# KiCad board control.kicad_pcb (continued)
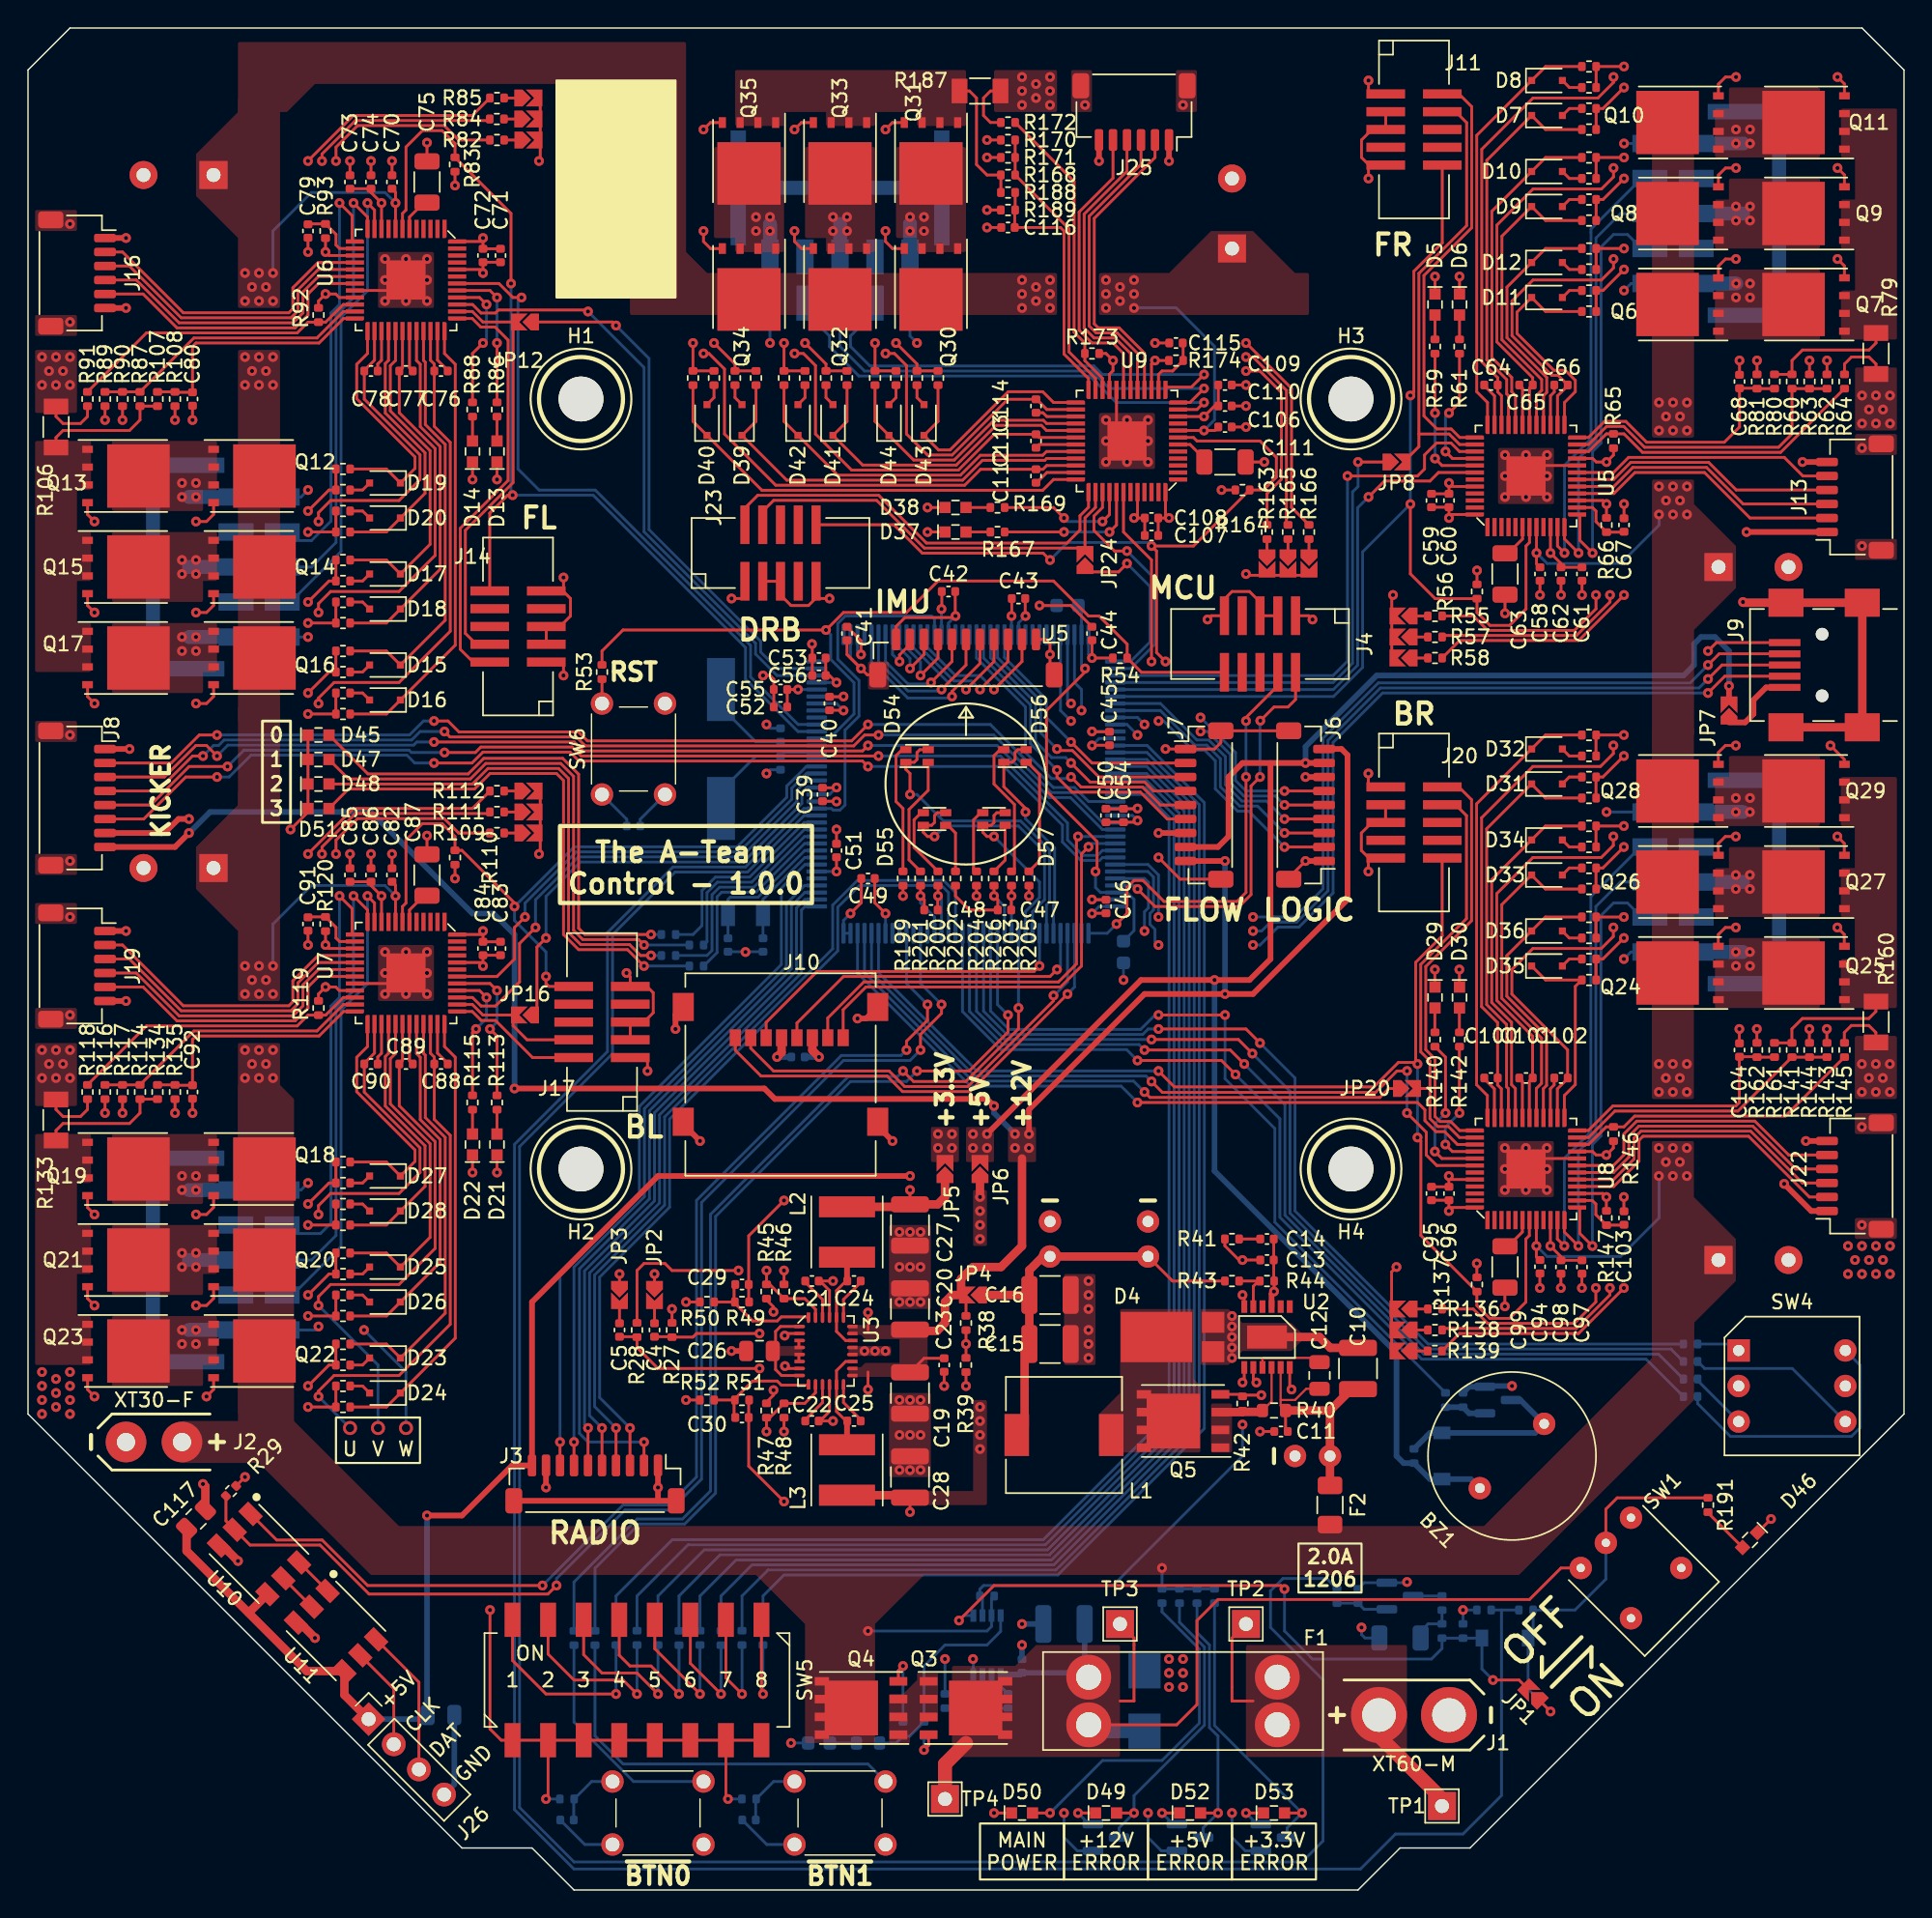
[diagram p0: board, top side]
## Routing (per net, layer and track width the routed paths; a pad name or vN(x,y) marks a point on that pad's centre or on a via; arc(x,y) is an arc through that point) (continued)
Net-(D57-Pad2): length 3.6
  Top w0.2: D57.2 69.8,73.56 R206.1
Net-(D57-Pad4): length 4.6
  Top w0.2: D57.4 68.05,76.95 67.54,76.44 67.54,72.97 R204.2
Net-(J9-Pad1): length 5.6
  Top w0.4: JP7.1 122.65,83.4 123.25,84 123.25,85 124.15,85.9 J9.1
Net-(JP9-Pad1): length 0.9
  Top w0.2: 100,91 JP9.1
Net-(JP10-Pad1): length 0.9
  Top w0.2: 100,89.5 99.11,89.5
Net-(JP11-Pad1): length 0.9
  Top w0.2: R58.1 99.11,88
Net-(JP13-Pad1): length 0.9
  Top w0.2: R82.1 JP13.1
Net-(JP14-Pad1): length 0.9
  Top w0.2: R84.1 JP14.1
Net-(JP15-Pad1): length 0.9
  Top w0.2: R85.1 JP15.1
Net-(JP17-Pad1): length 0.9
  Top w0.2: R109.1 JP17.1
Net-(JP18-Pad1): length 0.9
  Top w0.2: 34,77 34.89,77
Net-(JP19-Pad1): length 0.9
  Top w0.2: R112.1 34.89,78.5
Net-(JP21-Pad1): length 0.9
  Top w0.2: R136.1 99.09,41.5
Net-(JP22-Pad1): length 0.9
  Top w0.2: R138.1 JP22.1
Net-(JP23-Pad1): length 0.9
  Top w0.2: R139.1 JP23.1
Net-(JP25-Pad1): length 0.9
  Top w0.2: 88.5,96.5 JP25.1
Net-(JP26-Pad1): length 0.9
  Top w0.2: 90,96.5 90,95.61
Net-(JP27-Pad1): length 0.9
  Top w0.2: R166.1 91.5,95.61
Net-(Q1-Pad1): length 3
  Bottom w0.4: Q1.1 102.94,34.05 R24.2 R22.2
Net-(Q2-Pad1): length 3.7
  Bottom w0.2: R25.2 R26.1 95.44,20.05 Q2.1
Net-(Q2-Pad3): length 2.1
  Bottom w0.2: R23.2 100.99,21 Q2.3
Net-(Q3-Pad4): length 2.2
  Top w0.2: v1(64,10) 64.33,10.33 Q3.4
  Bottom w0.2: R34.1 v1(64,10)
Net-(Q4-Pad4): length 5.2
  Top w0.2: v1(62.5,16) 62.17,15.67 Q4.4
  Bottom w0.2: R35.2 v1(62.5,16)
Net-(Q5-Pad4): length 6.9
  Top w0.2: U2.12 90.12,35.88 v1(90.25,35.75) ; v1(88.09,35.35) 86.75,35.35 86.69,35.41 Q5.4
  In2.Cu w0.2: v1(88.09,35.35) 88.5,35.75 v1(90.25,35.75)
Net-(Q6-Pad4): length 14.7
  Top w0.2: v1(122,116.5) 121.25,116.5 120.75,116 Q6.4 ; v1(114,115.75) 112.5,114.25 R75.2 R76.2
  In2.Cu w0.2: 122.01,116.5 114.76,116.5 114.01,115.75
Net-(Q7-Pad4): length 20.6
  Top w0.2: v1(129.25,116.5) 129.75,116 Q7.4 ; R78.2 R77.2 v1(114,117.25)
  In2.Cu w0.2: 129.26,116.5 128.51,117.25 114.01,117.25
Net-(Q8-Pad4): length 14.7
  Top w0.2: R72.2 R71.2 112.5,120.75 v1(114,122.25) ; v1(122,123) 121.25,123 120.75,122.5 Q8.4
  In2.Cu w0.2: 122.01,123 114.76,123 114.01,122.25
Net-(Q9-Pad4): length 20.6
  Top w0.2: v1(114,123.75) R73.2 R74.2 ; Q9.4 129.75,122.5 v1(129.25,123)
  In2.Cu w0.2: 129.26,123 128.51,123.75 114.01,123.75
Net-(Q10-Pad4): length 14.7
  Top w0.2: Q10.4 120.75,129 121.25,129.5 v1(122,129.5) ; v1(114,128.75) 112.5,127.25 R67.2 R68.2
  In2.Cu w0.2: 114.01,128.75 114.76,129.5 122.01,129.5
Net-(Q11-Pad4): length 20.6
  Top w0.2: v1(129.25,129.5) 129.75,129 Q11.4 ; R70.2 R69.2 v1(114,130.25)
  In2.Cu w0.2: 114.01,130.25 128.51,130.25 129.26,129.5
Net-(Q12-Pad4): length 14.7
  Top w0.2: v1(20,98.5) 21.5,100 R102.2 R103.2 ; Q12.4 13.26,98.25 12.75,97.75 v1(12,97.75)
  In2.Cu w0.2: v1(12,97.75) 19.25,97.75 v1(20,98.5)
Net-(Q13-Pad4): length 20.6
  Top w0.2: Q13.4 4.26,98.25 v1(4.75,97.75) ; R105.2 R104.2 v1(20,97)
  In2.Cu w0.2: v1(4.75,97.75) 5.5,97 v1(20,97)
Net-(Q14-Pad4): length 14.7
  Top w0.2: v1(20,92) 21.5,93.5 R98.2 R99.2 ; v1(12,91.25) 12.75,91.25 13.26,91.75 Q14.4
  In2.Cu w0.2: v1(12,91.25) 19.25,91.25 v1(20,92)
Net-(Q15-Pad4): length 20.6
  Top w0.2: Q15.4 4.26,91.75 v1(4.75,91.25) ; R101.2 R100.2 v1(20,90.5)
  In2.Cu w0.2: v1(20,90.5) 5.5,90.5 v1(4.75,91.25)
Net-(Q16-Pad4): length 14.7
  Top w0.2: R95.2 R94.2 21.5,87 v1(20,85.5) ; Q16.4 13.26,85.25 12.75,84.75 v1(12,84.75)
  In2.Cu w0.2: v1(20,85.5) 19.25,84.75 v1(12,84.75)
Net-(Q17-Pad4): length 20.6
  Top w0.2: v1(4.75,84.75) 4.26,85.25 Q17.4 ; R97.2 R96.2 v1(20,84)
  In2.Cu w0.2: v1(4.75,84.75) 5.5,84 v1(20,84)
Net-(Q18-Pad4): length 14.7
  Top w0.2: R130.2 R129.2 21.5,50.5 v1(20,49) ; v1(12,48.25) 12.75,48.25 13.26,48.75 Q18.4
  In2.Cu w0.2: v1(12,48.25) 19.25,48.25 v1(20,49)
Net-(Q19-Pad4): length 20.6
  Top w0.2: R132.2 R131.2 v1(20,47.5) ; v1(4.75,48.25) 4.26,48.75 Q19.4
  In2.Cu w0.2: v1(4.75,48.25) 5.5,47.5 v1(20,47.5)
Net-(Q20-Pad4): length 14.7
  Top w0.2: v1(20,42.5) 21.5,44 R125.2 R126.2 ; v1(12,41.75) 12.75,41.75 13.26,42.25 Q20.4
  In2.Cu w0.2: v1(20,42.5) 19.25,41.75 v1(12,41.75)
Net-(Q21-Pad4): length 20.6
  Top w0.2: R128.2 R127.2 v1(20,41) ; Q21.4 4.26,42.25 v1(4.75,41.75)
  In2.Cu w0.2: v1(20,41) 5.5,41 v1(4.75,41.75)
Net-(Q22-Pad4): length 13.2
  Top w0.2: Q22.4 13.26,35.75 v1(12.75,35.25) ; R122.2 R121.2 21.5,37.5 v1(20,36)
  In2.Cu w0.2: v1(12.75,35.25) 19.25,35.25 v1(20,36)
Net-(Q23-Pad4): length 20.6
  Top w0.2: v1(20,34.5) R123.2 R124.2 ; v1(4.75,35.25) 4.26,35.75 Q23.4
  In2.Cu w0.2: v1(20,34.5) 5.5,34.5 v1(4.75,35.25)
Net-(Q24-Pad4): length 14.7
  Top w0.2: v1(121.99,68.75) 121.24,68.75 120.74,68.25 120.74,67.41 ; v1(113.99,68) 112.49,66.5 112,66.5 112,65
  In2.Cu w0.2: 114,68 114.75,68.75 122,68.75
Net-(Q25-Pad4): length 20.6
  Top w0.2: v1(129.24,68.75) 129.74,68.25 129.74,67.41 ; v1(113.99,69.5) 112,69.5 112,68
  In2.Cu w0.2: 129.25,68.75 128.5,69.5 114,69.5
Net-(Q26-Pad4): length 14.7
  Top w0.2: v1(113.99,74.5) 112.49,73 112,73 112,71.5 ; v1(121.99,75.25) 121.24,75.25 120.74,74.75 120.74,73.91
  In2.Cu w0.2: 122,75.25 114.75,75.25 114,74.5
Net-(Q27-Pad4): length 20.6
  Top w0.2: 112,74.5 112,76 v1(113.99,76) ; 129.74,73.91 129.74,74.75 v1(129.24,75.25)
  In2.Cu w0.2: 114,76 128.5,76 129.25,75.25
Net-(Q28-Pad4): length 14.7
  Top w0.2: 120.74,80.41 120.74,81.25 121.24,81.75 v1(121.99,81.75) ; v1(113.99,81) 112.49,79.5 112,79.5 112,78
  In2.Cu w0.2: 122,81.75 114.75,81.75 114,81
Net-(Q29-Pad4): length 20.3
  Top w0.2: 112,81 112,82.5 v1(113.99,82.5) ; 129.74,80.41 129.74,80.76 v1(128.75,81.75)
  In2.Cu w0.2: v1(128.75,81.75) 128,82.5 114,82.5
Net-(Q30-Pad4): length 14.7
  Top w0.2: Q30.4 61.75,117.25 61.25,117.75 v1(61.25,118.5) ; v1(62,110.5) 63.5,109 R183.2 R184.2
  In2.Cu w0.2: 61.25,118.51 61.25,111.26 62,110.51
Net-(Q31-Pad4): length 20.6
  Top w0.2: Q31.4 61.75,126.25 v1(61.25,125.75) ; R186.2 R185.2 v1(60.5,110.5)
  In2.Cu w0.2: 61.25,125.76 60.5,125.01 60.5,110.51
Net-(Q32-Pad4): length 14.7
  Top w0.2: v1(55.5,110.5) 57,109 R179.2 R180.2 ; v1(54.75,118.5) 54.75,117.75 55.25,117.25 Q32.4
  In2.Cu w0.2: 55.5,110.51 54.75,111.26 54.75,118.51
Net-(Q33-Pad4): length 20.6
  Top w0.2: v1(54,110.5) R181.2 R182.2 ; Q33.4 55.25,126.25 v1(54.75,125.75)
  In2.Cu w0.2: 54.75,125.76 54,125.01 54,110.51
Net-(Q34-Pad4): length 14.7
  Top w0.2: v1(49,110.5) 50.5,109 R175.2 R176.2 ; v1(48.25,118.5) 48.25,117.75 48.75,117.25 Q34.4
  In2.Cu w0.2: 49,110.51 48.25,111.26 48.25,118.51
Net-(Q35-Pad4): length 20.6
  Top w0.2: R178.2 R177.2 v1(47.5,110.5) ; Q35.4 48.75,126.25 v1(48.25,125.75)
  In2.Cu w0.2: 47.5,110.51 47.5,125.01 48.25,125.76
Net-(R5-Pad1): length 16.5
  Bottom w0.2: SW2.2 43.25,7.75 39,12 R5.1
Net-(R6-Pad1): length 28.6
  Bottom w0.2: R6.1 40.5,11.01 42.51,9 60,9 SW3.2
Net-(R9-Pad2): length 19.3
  Bottom w0.2: R9.2 119.26,34.74 121.6,32.4 130.25,32.4 130.87,33.02 130.87,37.48 SW4.6
Net-(R10-Pad2): length 4.3
  Bottom w0.2: R10.2 119.26,36.39 SW4.3
Net-(R11-Pad2): length 12.3
  Bottom w0.2: SW4.4 126.02,37.25 119.76,37.25 R11.2
Net-(R12-Pad2): length 3.1
  Bottom w0.2: R12.2 121.73,39 SW4.1
Net-(R13-Pad2): length 14.8
  Top w0.2: v1(42,14) 37,14 34.61,16.39 SW5.16
  Bottom w0.2: R13.2 v1(42,14)
Net-(R14-Pad2): length 13.5
  Top w0.2: v1(43.5,14) 42.5,15 39,15 37.15,16.85 SW5.15
  Bottom w0.2: R14.2 v1(43.5,14)
Net-(R15-Pad2): length 12.5
  Top w0.2: v1(45,14) 43.5,15.5 41,15.5 39.69,16.81 SW5.14
  Bottom w0.2: R15.2 v1(45,14)
Net-(R16-Pad2): length 11.4
  Top w0.2: SW5.13 42.23,16.77 43,16 44.5,16 v1(46.5,14)
  Bottom w0.2: R16.2 v1(46.5,14)
Net-(R17-Pad2): length 10.1
  Top w0.2: SW5.12 44.77,17.23 v1(48,14)
  Bottom w0.2: R17.2 v1(48,14)
Net-(R18-Pad2): length 9.7
  Top w0.2: SW5.11 47.31,16.19 v1(49.5,14)
  Bottom w0.2: R18.2 v1(49.5,14)
Net-(R19-Pad2): length 9.3
  Top w0.2: SW5.10 49.85,15.15 v1(51,14)
  Bottom w0.2: R19.2 v1(51,14)
Net-(R20-Pad2): length 8.8
  Top w0.2: v1(52.5,14) 52.39,14.11 SW5.9
  Bottom w0.2: R20.2 v1(52.5,14)
Net-(R30-Pad2): length 1.5
  Bottom w0.2: R31.1 R30.2
Net-(R31-Pad2): length 3.4
  Bottom w0.2: U1.2 68.83,14.34 R31.2 67.48,12.99 R32.1
Net-(R32-Pad2): length 4.1
  Bottom w0.2: U1.3 68.17,14.68 67.51,14.01 R32.2 65.98,12.99 R33.2
Net-(R34-Pad2): length 15.4
  Bottom w0.2: U1.8 69.47,18.47 68.5,17.5 65.5,17.5 64,16 R34.2 62.98,10.99 R35.1 62.01,10.5 R37.1
Net-(R43-Pad2): length 3.3
  Top w0.2: U2.5 87.53,43.12 87.9,43.5 86.6,43.5
Net-(R53-Pad1): length 1.7
  Top w0.2: SW6.2 R53.1
Net-(R59-Pad1): length 10.5
  Top w0.2: R59.1 v1(100.5,105.5) ; U5.41 101,101.75 v1(100.5,102.25)
  Bottom w0.2: v1(100.5,102.25) v1(100.5,105.5)
Net-(R60-Pad2): length 22.6
  Top w0.2: R62.2 R63.1 R60.2 126,104.01 125.04,103.05 115.47,103.05 113.98,104.54 112.76,104.54 111.47,103.25 U5.23
Net-(R61-Pad1): length 9.7
  Top w0.2: v1(101.5,105.5) 102.25,106.25 R61.1 ; U5.40 101.75,102.25 v1(101.25,102.75)
  Bottom w0.2: v1(101.5,105.5) 101.25,105.25 v1(101.25,102.75)
Net-(R64-Pad2): length 22.1
  Top w0.2: 129.75,107.25 125.19,102.69 115.32,102.69 114,104.01 R65.1 112.74,104.01 111.48,102.75 U5.22
Net-(R86-Pad1): length 10.5
  Top w0.2: v1(33.5,113.75) 33,114.25 U6.41 ; R86.1 v1(33.5,110.5)
  Bottom w0.2: v1(33.5,113.75) v1(33.5,110.5)
Net-(R87-Pad2): length 20.2
  Top w0.2: U6.23 22.53,112.75 20.64,110.86 11.85,110.86 R87.2 R90.1 R89.2
Net-(R88-Pad1): length 9.7
  Top w0.2: v1(32.5,110.5) 31.75,109.75 R88.1 ; U6.40 32.25,113.75 v1(32.75,113.25)
  Bottom w0.2: v1(32.75,113.25) 32.75,110.75 v1(32.5,110.5)
Net-(R91-Pad2): length 21.7
  Top w0.2: U6.22 22.52,113.25 21.26,111.99 R92.1 20,111.99 19.23,111.22 8.46,111.22 R91.2
Net-(R113-Pad1): length 11
  Top w0.2: U7.41 33,64.75 v1(33.5,64.25) ; v1(33,61.5) 33.5,61 R113.1
  Bottom w0.2: v1(33,61.5) 33.5,62 v1(33.5,64.25)
Net-(R114-Pad2): length 20.2
  Top w0.2: U7.23 22.53,63.25 20.64,61.36 11.85,61.36 R114.2 R117.1 R116.2
Net-(R115-Pad1): length 9.7
  Top w0.2: v1(32.75,63.75) 32.25,64.25 U7.40 ; v1(32,61.5) 31.75,61.25 R115.1
  Bottom w0.2: v1(32,61.5) 32.75,62.25 v1(32.75,63.75)
Net-(R118-Pad2): length 21.7
  Top w0.2: R118.2 8.46,61.72 19.23,61.72 20,62.49 R119.1 21.26,62.49 22.52,63.75 U7.22
Net-(R140-Pad1): length 11.2
  Top w0.2: v1(101.25,55.5) 101.25,59.49 R140.1 ; v1(100.49,52.75) 100.99,52.25 103.34,52.25
  Bottom w0.2: v1(100.49,52.75) 100.49,54.74 v1(101.25,55.5)
Net-(R141-Pad2): length 20.2
  Top w0.2: 128.49,59.49 125.99,59.49 122.14,55.64 113.35,55.64 111.46,53.75 110.64,53.75
Net-(R142-Pad1): length 9.7
  Top w0.2: v1(101.24,53.25) 101.74,52.75 103.34,52.75 ; 102.24,60.24 102.24,55.51 v1(102.25,55.5)
  Bottom w0.2: v1(101.24,53.25) 101.24,54.49 v1(102.25,55.5)
Net-(R145-Pad2): length 21.7
  Top w0.2: 129.74,59.49 125.53,55.28 114.76,55.28 113.99,54.51 112.73,54.51 111.47,53.25 110.64,53.25
Net-(R167-Pad1): length 10.5
  Top w0.2: v1(77.25,97) 77.75,97.5 U9.41 ; R167.1 v1(74,97)
  Bottom w0.2: v1(77.25,97) v1(74,97)
Net-(R168-Pad2): length 20.2
  Top w0.2: R170.2 R171.1 R168.2 74.36,118.65 74.36,109.86 76.25,107.97 U9.23
Net-(R169-Pad1): length 9.7
  Top w0.2: v1(76.75,97.75) 77.25,98.25 U9.40 ; R169.1 73.25,98.75 v1(74,98)
  Bottom w0.2: v1(74,98) 74.25,97.75 v1(76.75,97.75)
Net-(R172-Pad2): length 21.7
  Top w0.2: U9.22 76.75,107.98 75.49,109.24 R173.1 75.49,110.5 74.72,111.27 74.72,122.04 R172.2
Net-(U10-Pad5): length 2.9
  Top w0.2: U10.5 U11.2
Net-(U10-Pad6): length 2.9
  Top w0.2: U10.6 U11.1
unconnected-(J12-PadMP): length 14.5
  Bottom w1: 125.08,127.02 125.08,112.48
unconnected-(J15-PadMP): length 14.5
  Bottom w1: 8.93,101.77 8.93,87.23
unconnected-(J18-PadMP): length 14.5
  Bottom w1: 8.92,52.27 8.92,37.73
unconnected-(J21-PadMP): length 14.5
  Bottom w1: 125.08,79.27 125.08,64.73
unconnected-(J24-PadMP): length 14.5
  Bottom w1: J24.MP J24.MP

## Copper pours and planes (outline as drawn; the poured copper is in the pictures)
+3.3V on Top: 64.5,52 64.5,54.5 66.5,54.5 66.5,52
+3.3V on In2.Cu: 129,44 5,44 5,130 129,130
+5V on Top: 67,52 67,54.5 69,54.5 69,52
+5V on In2.Cu: 67,52 67,54.5 69,54.5 69,52
+12V on Top: 70,52 70,54.5 72,54.5 72,52
+12V on Top: 58.6,36.65 58.6,37.35 59.5,37.35 59.8,37.65 64.25,37.65 64.25,36.65
+12V on Top: 58.6,40.35 58.6,39.65 59.5,39.65 59.8,39.35 64.25,39.35 64.25,40.35
+12V on Top: 62.25,36.5 62.25,40.5 64.25,40.5 64.25,36.5
+12V on In2.Cu: 70,52 70,54.5 72,54.5 72,52
GND on Top: 82,130 83.5,130 83.5,127 82,127
GND on Top: 133.49,48 133.49,46.5 130.49,46.5 130.49,48
GND on Top: 0.5,69 0.5,70.5 3.5,70.5 3.5,69
GND on Top: 61.5,41.5 61.5,47.5 64.5,47.5 64.5,41.5
GND on Top: 69,130 73.5,130 73.5,127 69,127
GND on Top: 76.5,101.5 76.5,105.5 80.5,105.5 80.5,101.5
GND on Top: 0.5,72.5 0.5,74 3.5,74 3.5,72.5
GND on Top: 29,113 25,113 25,117 29,117
GND on Top: 105,103 109,103 109,99 105,99
GND on Top: 60,85.75 60,87.75 61.5,87.75 61.5,85.75
GND on Top: 0.5,118.5 0.5,120 3.5,120 3.5,118.5
GND on Top: 0.5,82 0.5,83.5 3.5,83.5 3.5,82
GND on Top: 133.49,61 133.49,56.5 130.49,56.5 130.49,61
GND on Top: 0.5,61.5 0.5,63 3.5,63 3.5,61.5
GND on Top: 90.25,38.5 86.75,38.5 85.75,37.5 83.75,37.5 83.75,41.5 85.75,41.5 86.75,40.5 90.25,40.5 91,39.75 91,39.25
GND on Top: 0.5,56 0.5,60.5 3.5,60.5 3.5,56
GND on Top: 104.99,53.5 108.99,53.5 108.99,49.5 104.99,49.5
GND on Top: 133.5,104 133.5,102.5 130.5,102.5 130.5,104
GND on Top: 0.5,111 0.5,112.5 3.5,112.5 3.5,111
GND on Top: 76.25,37.5 74,37.5 74,44 76.25,44
GND on Top: 74.5,130 76,130 76,127 74.5,127
GND on Top: 29,63.5 25,63.5 25,67.5 29,67.5
GND on Top: 133.5,96.5 133.5,95 130.5,95 130.5,96.5
GND on Top: 133.49,55.5 133.49,54 130.49,54 130.49,55.5
GND on Top: 133.5,108.75 133.5,104.25 130.5,104.25 130.5,108.75
GND on Top: 0.5,105.5 0.5,110 3.5,110 3.5,105.5
GND on Top: 58.6,38.15 58.6,38.85 61.65,38.85 61.65,38.15
GND on Top: 61.5,29.5 61.5,35.5 64.5,35.5 64.5,29.5
GND on Bottom: 47,127 81.5,127 84.5,124 84.5,121 87.5,121 87.5,124 90.5,127 91.5,127 91.5,130 47,130
GND on Bottom: 0.5,121 6.5,121 12.5,127 47.75,127 47.75,130 0.5,130
GND on Bottom: 130.5,88.5 133.5,88.5 133.5,82.5 130.5,82.5
GND on Bottom: 79,17 79,14 83,14 83,17
GND on Bottom: 3.5,77.5 0.5,77.5 0.5,84.5 3.5,84.5
GND on Bottom: 3.5,83.5 3.5,118 6.5,121 9.5,121 9.5,124 6.5,124 3.5,127 3.5,128 0.5,128 0.5,83.5
GND on Bottom: 130.49,83 130.5,49.5 127.49,46.5 124.49,46.5 124.49,43.5 133.49,43.5 133.49,83
GND on Bottom: 130.5,128.99 130.5,99 127.5,96 124.5,96 124.5,93 127.5,93 130.5,90 130.5,88 133.5,88 133.5,128.99
GND on Bottom: 1,33.5 3.5,33.5 3.5,68.5 6.5,71.5 9.5,71.5 9.5,74.5 6.5,74.5 3.5,77.5 3.5,78.5 0.5,78.5 0.5,34
GND on In1.Cu: 133.5,34 133.5,129.5 0.5,130 0.5,34 31,3.5 36,3.5 39,0.5 95,0.5 98,3.5 103,3.5
+V_{BATT(FUSED)} on Top: 78,9.5 66,9.5 66,16 70.5,16 72,17.5 78,17.5
+V_{BATT(PROTECTED)} on Top: 115.99,56.5 115.99,83 118.99,83 118.99,56.5
+V_{BATT(PROTECTED)} on Top: 12,74.5 15,77.5 15,78.5 18,78.5 18,63.5 15,63.5 15,68.5 12,71.5
+V_{BATT(PROTECTED)} on Top: 16.5,30.5 11,30.5 11,33.5 19,33.5 26.5,26 104,26 116,38 116,41 119,41 119,35 106.5,22.5 64,22.5 60.5,19 60.5,10.5 55.5,10.5 55.5,19 52,22.5 24.5,22.5
+V_{BATT(PROTECTED)} on Top: 121.99,43.5 118.99,40.5 118.99,38.5 115.99,38.5 115.99,53.5 118.99,53.5 118.99,49.5 121.99,46.5
+V_{BATT(PROTECTED)} on Top: 43,112.5 43,124 38,129 20.5,129 18.5,127 15,127 15,132 47,132 47,117 48.5,115.5 48.5,112.5
+V_{BATT(PROTECTED)} on Top: 87.5,118.5 90.5,115.5 91.5,115.5 91.5,112.5 76.5,112.5 76.5,115.5 81.5,115.5 84.5,118.5
+V_{BATT(PROTECTED)} on Top: 119,88.5 116,88.5 116,82.5 119,82.5
+V_{BATT(PROTECTED)} on Top: 122,93 119,90 119,88 116,88 116,100.75 119,100.75 119,99 122,96
+V_{BATT(PROTECTED)} on Top: 15,77.5 18,77.5 18,84.5 15,84.5
+V_{BATT(PROTECTED)} on Top: 18,110 18,83.5 15,83.5 15,110
+V_{BATT(PROTECTED)} on Top: 15,57.5 18,57.5 19,56.5 19,28 15,32
+V_{BATT(PROTECTED)} on Top: 116,103.75 116,128.5 119,128.5 119,103.75
+V_{BATT(PROTECTED)} on Top: 12,124 15,127 15,128 18,128 18,113 15,113 15,118 12,121
+V_{BATT(PROTECTED)} on Top: 18,60.5 18,34 15,34 15,60.5
+V_{BATT(PROTECTED)} on Top: 73.5,112.5 47,112.5 47,115.5 73.5,115.5
+V_{BATT(PROTECTED)} on Bottom: 118.99,50.5 118.99,59.5 115.99,59.5 115.99,50.5
+V_{BATT(PROTECTED)} on Bottom: 15,66.5 15,57.5 18,57.5 18,66.5
+V_{BATT(PROTECTED)} on Bottom: 119,97.75 119,106.75 116,106.75 116,97.75
+V_{BATT(PROTECTED)} on Bottom: 79.5,115.5 70.5,115.5 70.5,112.5 79.5,112.5
+V_{BATT(PROTECTED)} on Bottom: 15,116 15,107 18,107 18,116
+V_{BATT(RAW)} on Top: 98.5,9.5 87,9.5 87,17.5 98.5,17.5
/MCU/MotorBL/I_{SENSE(RAW)} on Top: 0.5,37.5 0.5,54 4.5,54 4.5,50.5 3.5,50.5 3.5,47.5 4.5,47.5 4.5,44 3.5,44 3.5,41 4.5,41 4.5,37.5
/MCU/MotorBL/MOTOR_{U} on Top: 6,36 6,41 13.5,41 13.5,37.5 12.5,37.5 12.5,36
/MCU/MotorBL/MOTOR_{U} on Bottom: 12.5,40.5 10.5,40.5 10.5,38.5 12.5,38.5
/MCU/MotorBL/MOTOR_{V} on Top: 12.5,42.5 6,42.5 6,47.5 13.5,47.5 13.5,44 12.5,44
/MCU/MotorBL/MOTOR_{V} on Bottom: 12.5,46 10.5,46 10.5,44 12.5,44
/MCU/MotorBL/MOTOR_{W} on Top: 12.5,49 6,49 6,54 13.5,54 13.5,50.5 12.5,50.5
/MCU/MotorBL/MOTOR_{W} on Bottom: 12.5,51.5 10.5,51.5 10.5,49.5 12.5,49.5
/MCU/MotorBR/I_{SENSE(RAW)} on Top: 133.49,79.5 133.49,63 129.49,63 129.49,66.5 130.49,66.5 130.49,69.5 129.49,69.5 129.49,73 130.49,73 130.49,76 129.49,76 129.49,79.5
/MCU/MotorBR/MOTOR_{U} on Top: 127.99,81 127.99,76 120.49,76 120.49,79.5 121.49,79.5 121.49,81
/MCU/MotorBR/MOTOR_{U} on Bottom: 121.49,76.5 123.49,76.5 123.49,78.5 121.49,78.5
/MCU/MotorBR/MOTOR_{V} on Top: 121.49,74.5 127.99,74.5 127.99,69.5 120.49,69.5 120.49,73 121.49,73
/MCU/MotorBR/MOTOR_{V} on Bottom: 121.49,71 123.49,71 123.49,73 121.49,73
/MCU/MotorBR/MOTOR_{W} on Top: 121.49,68 127.99,68 127.99,63 120.49,63 120.49,66.5 121.49,66.5
/MCU/MotorBR/MOTOR_{W} on Bottom: 121.49,65.5 123.49,65.5 123.49,67.5 121.49,67.5
/MCU/MotorDRB/I_{SENSE(RAW)} on Top: 50.5,130 67,130 67,126 63.5,126 63.5,127 60.5,127 60.5,126 57,126 57,127 54,127 54,126 50.5,126
/MCU/MotorDRB/MOTOR_{U} on Top: 49,124.5 54,124.5 54,117 50.5,117 50.5,118 49,118
/MCU/MotorDRB/MOTOR_{U} on Bottom: 53.5,118 53.5,120 51.5,120 51.5,118
/MCU/MotorDRB/MOTOR_{V} on Top: 55.5,118 55.5,124.5 60.5,124.5 60.5,117 57,117 57,118
/MCU/MotorDRB/MOTOR_{V} on Bottom: 59,118 59,120 57,120 57,118
/MCU/MotorDRB/MOTOR_{W} on Top: 62,118 62,124.5 67,124.5 67,117 63.5,117 63.5,118
/MCU/MotorDRB/MOTOR_{W} on Bottom: 64.5,118 64.5,120 62.5,120 62.5,118
/MCU/MotorFL/I_{SENSE(RAW)} on Top: 0.5,87 0.5,103.5 4.5,103.5 4.5,100 3.5,100 3.5,97 4.5,97 4.5,93.5 3.5,93.5 3.5,90.5 4.5,90.5 4.5,87
/MCU/MotorFL/MOTOR_{U} on Top: 6,85.5 6,90.5 13.5,90.5 13.5,87 12.5,87 12.5,85.5
/MCU/MotorFL/MOTOR_{U} on Bottom: 12.5,90 10.5,90 10.5,88 12.5,88
/MCU/MotorFL/MOTOR_{V} on Top: 12.5,92 6,92 6,97 13.5,97 13.5,93.5 12.5,93.5
/MCU/MotorFL/MOTOR_{V} on Bottom: 12.5,95.5 10.5,95.5 10.5,93.5 12.5,93.5
/MCU/MotorFL/MOTOR_{W} on Top: 12.5,98.5 6,98.5 6,103.5 13.5,103.5 13.5,100 12.5,100
/MCU/MotorFL/MOTOR_{W} on Bottom: 12.5,101 10.5,101 10.5,99 12.5,99
/MCU/MotorFR/I_{SENSE(RAW)} on Top: 133.5,127.25 133.5,110.75 129.5,110.75 129.5,114.25 130.5,114.25 130.5,117.25 129.5,117.25 129.5,120.75 130.5,120.75 130.5,123.75 129.5,123.75 129.5,127.25
/MCU/MotorFR/MOTOR_{U} on Top: 128,128.75 128,123.75 120.5,123.75 120.5,127.25 121.5,127.25 121.5,128.75
/MCU/MotorFR/MOTOR_{U} on Bottom: 121.5,124.25 123.5,124.25 123.5,126.25 121.5,126.25
/MCU/MotorFR/MOTOR_{V} on Top: 121.5,122.25 128,122.25 128,117.25 120.5,117.25 120.5,120.75 121.5,120.75
/MCU/MotorFR/MOTOR_{V} on Bottom: 121.5,118.75 123.5,118.75 123.5,120.75 121.5,120.75
/MCU/MotorFR/MOTOR_{W} on Top: 121.5,115.75 128,115.75 128,110.75 120.5,110.75 120.5,114.25 121.5,114.25
/MCU/MotorFR/MOTOR_{W} on Bottom: 121.5,113.25 123.5,113.25 123.5,115.25 121.5,115.25
/Regulator 3v3 & 5v0/INTV_{CC} on Top: 53,38.15 53,38.85 55.3,38.85 55.3,38.15
/Regulator 12v0/V_{SENSE-} on Top: 86,31.25 84.5,31.25 84.5,34.75 86,34.75
Net-(C28-Pad1) on Top: 67.5,46 67.5,50 68.5,50 68.5,46
Net-(C28-Pad1) on Top: 64,27.5 64,28.5 67.5,28.5 67.5,35 68.5,35 68.5,27.5
Net-(C28-Pad1) on In1.Cu: 68.5,31 68.5,50 67.5,50 67.5,31
Net-(D4-Pad3) on Top: 76.5,31.25 76.5,34 78,35.5 78,41.5 83.25,41.5 83.25,36.5 83.75,36 83.75,31.25
Net-(Q3-Pad1) on Top: 61.5,14 62.5,14 63.5,15 63.5,15.5 65,15.5 65,12 64,12 63,11 63,10.5 61.5,10.5

## Text on the board
F.Silkscreen: U | V | W | MAIN / POWER | +12V / ERROR | +5V / ERROR | +3.3V / ERROR | +5V | CLK | DAT | GND | 0 | 1 | 2 | 3 | 2.0A / 1206 | +3.3V | +12V | RST | ~{BTN0} | ~{BTN1} | KICKER | The A-Team / Control - 1.0.0 | FL | RADIO | BL | DRB | IMU | MCU | FLOW | LOGIC | FR | BR | OFF | ON
In1.Cu: IN1
In2.Cu: IN2
